# Altium PCB WallLightRemote_V1.0.PcbDoc (part 1 of 3) (continued)
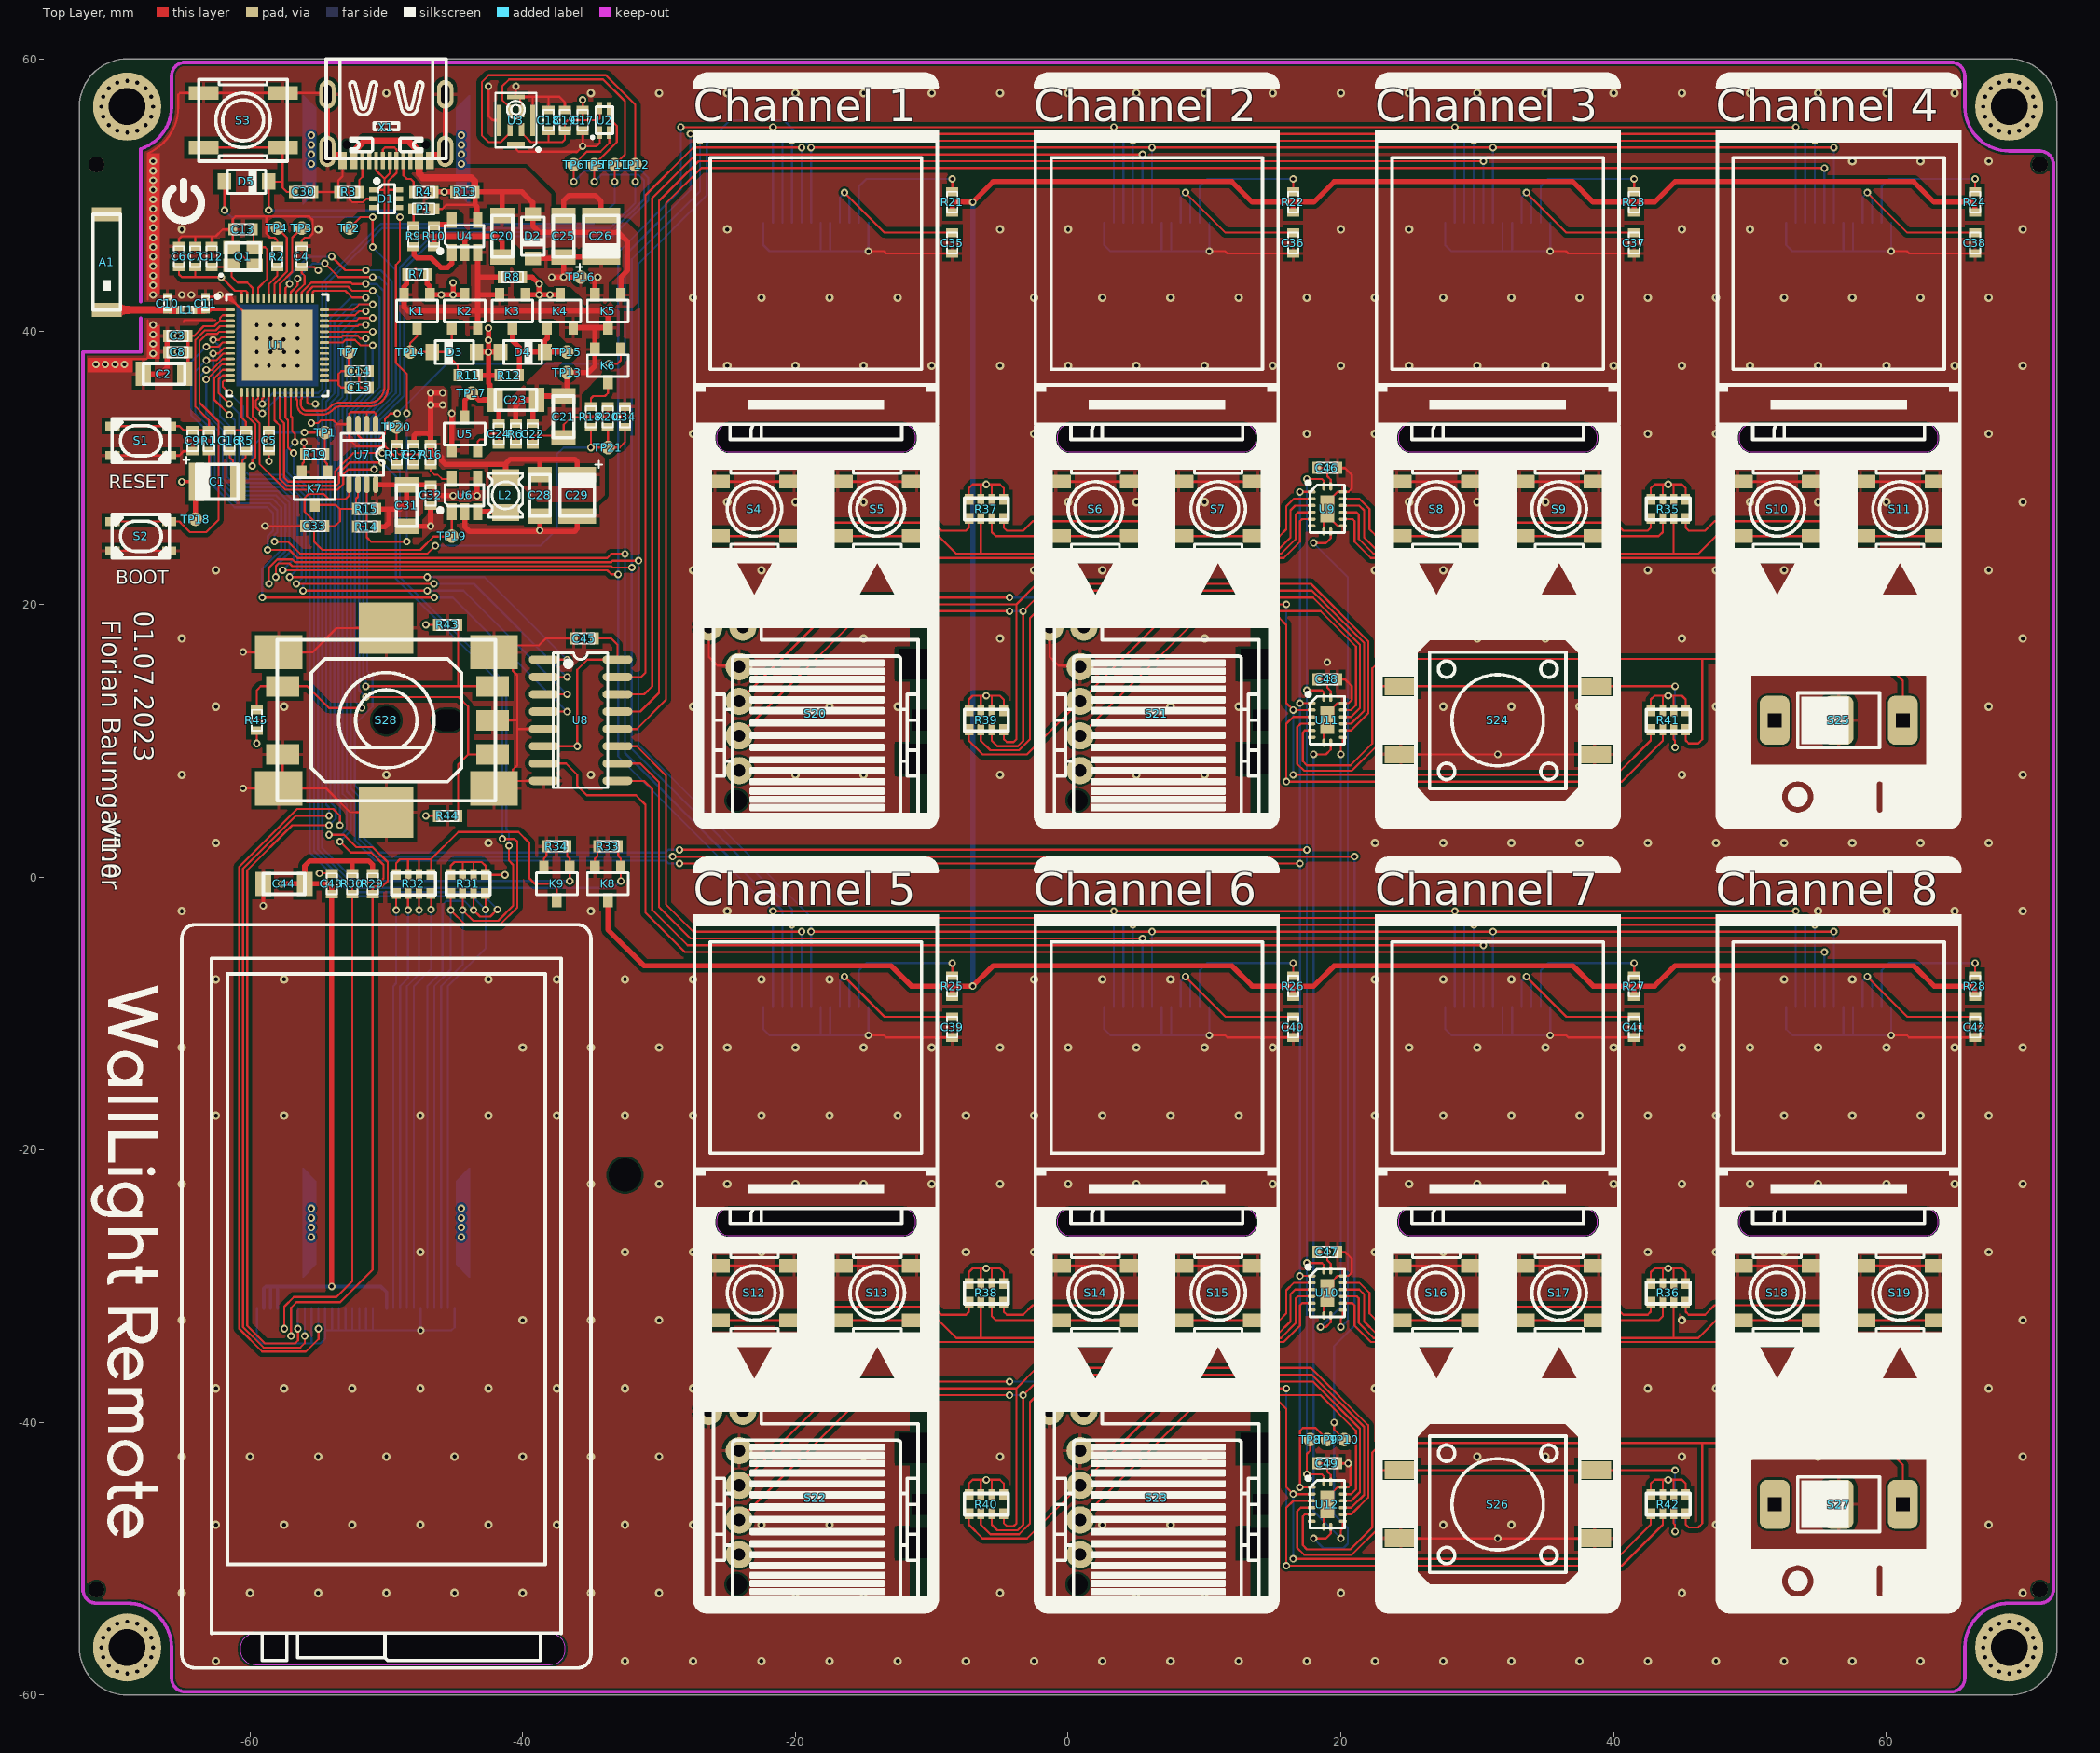
[diagram p0: Top Layer view]
## Design rules (kind name [scope] priority, off if disabled: settings)
Clearance "Stitching GND" [IsStitchingVia and InNet('GND') vs (IsVia and (Not IsStitchingVia)) Or IsPad] p1: gap=0.127 ignorepadtopadclearanceinfootprint=FALSE
Clearance Clearance_Poly_GND_DiffPair [InPolygon and InNet('GND') vs InAnyDifferentialPair] p2: gap=0.838 ignorepadtopadclearanceinfootprint=FALSE
Clearance Clearance_Poly_GND_Top [InPolygon and InNet('GND') vs OnLayer('Top Layer')] p3: gap=0.305 ignorepadtopadclearanceinfootprint=FALSE
Clearance Clearance_Poly_GND_Bottom [InPolygon and InNet('GND') vs OnLayer('Bottom Layer')] p4: gap=0.305 ignorepadtopadclearanceinfootprint=FALSE
Clearance Clearance_Poly [InPolygon vs Not InNet('GND')] p5: gap=0.152 ignorepadtopadclearanceinfootprint=FALSE
Clearance Clearance_Via [isvia AND (AsMM(HoleDiameter) = 0.2) vs isvia AND (AsMM(HoleDiameter) = 0.2)] p6: gap=0.249 ignorepadtopadclearanceinfootprint=FALSE
Clearance [All] p7: gap=0.089 ignorepadtopadclearanceinfootprint=FALSE except(0.127: SMDPad-SMDPad)
ComponentClearance Component_Display [(Identifier = 'Spacer')] p1: gap=0 collisioncheckmode=3 verticalgap=0 showdistances=FALSE
ComponentClearance [All] p2: gap=0 collisioncheckmode=3 verticalgap=0.04 showdistances=TRUE
DiffPairsRouting [All] p1: maxlimit=2.54 minlimit=0.089 mostfreqgap=0.127 toplayer_minwidth=0.127 toplayer_maxwidth=0.381 toplayer_prefwidth=0.127 midlayer1_minwidth=0.127 midlayer1_maxwidth=0.381 midlayer1_prefwidth=0.127 midlayer2_minwidth=0.127 midlayer2_maxwidth=0.381 midlayer2_prefwidth=0.127 bottomlayer_minwidth=0.127 bottomlayer_maxwidth=0.381 bottomlayer_prefwidth=0.127 maxuncoupledlength=12.7
Height [All] p1: minheight=0 maxheight=150 prefheight=2
HoleSize [All] p1: absolutevalues=TRUE maxlimit=20.32 minlimit=0.2 maxpercent=80.000 minpercent=20.000
HoleToHoleClearance [InDrillLayerPair('Top Layer - Bottom Layer')] p1: gap=0.5 allowstackedmicrovias=FALSE
MinimumAnnularRing [All] p1: minimumring=0.089
MinimumSolderMaskSliver [All] p1: minsoldermaskwidth=0
PlaneConnect [All] p1: pad.planeconnectstyle=Relief pad.reliefexpansion=0.508 pad.reliefentries=4 pad.reliefconductorwidth=0.254 pad.reliefairgap=0.254 via.planeconnectstyle=Direct via.reliefexpansion=0.508 via.reliefentries=4 via.reliefconductorwidth=0.254 via.reliefairgap=0.254
PolygonConnect [All] p1: thpad.connectstyle=Relief thpad.reliefconductorwidth=0.254 thpad.reliefentries=4 thpad.polygonreliefangle="90 Angle" thpad.airgapwidth=0.254 smdpad.connectstyle=Relief smdpad.reliefconductorwidth=0.254 smdpad.reliefentries=4 smdpad.polygonreliefangle="90 Angle" smdpad.airgapwidth=0.254 via.connectstyle=Direct via.reliefconductorwidth=0.254 via.reliefentries=4 via.polygonreliefangle="90 Angle" via.airgapwidth=0.254
RoutingVias [All] p1: holewidth=0.3 width=0.62 viastyle="Through Hole" minholewidth=0.2 minwidth=0.44 maxholewidth=0.8 maxwidth=1.1
SilkToSilkClearance [All] p1: silktosilkclearance=0
SilkToSolderMaskClearance [IsPad] p1: minsilkscreentomaskgap=0 clearancetoexposedcopper=TRUE
SolderMaskExpansion [All] p1: expansion=0.102 istentingtop=FALSE
Width [Not InNet('No Net')] p1: maxlimit=4 minlimit=0.089 preferedwidth=0.254
Width Logos [All] p2: maxlimit=0.254 minlimit=0.003 preferedwidth=0.003
21 further rules are at their usual default settings.

## Classes and differential pairs
component class Power: C20 C21 C22 C23 C24 C25 C26 C27 C28 C29 C30 C31 C32 C33 C34 D2 D3 D4 D5 K1 K2 K3 K4 K5 K6 K7 L2 P1 R6 R7 R8 R9 R10 R11 R12 R13 R14 R15 R16 R17 R18 R19 R20 S3 TP13 TP14 TP15 TP16 TP17 TP18 TP19 TP20 TP21 U4 U5 U6 U7 X2
component class MCU: A1 C1 C2 C3 C4 C5 C6 C7 C8 C9 C10 C11 C12 C13 C14 C15 C16 C17 C18 C19 D1 L1 Q1 R1 R2 R3 R4 R5 S1 S2 TP1 TP2 TP3 TP4 TP5 TP6 TP7 TP8 TP9 TP10 TP11 TP12 U1 U2 U3 X1
component class HMI: C46 C47 C48 C49 R35 R36 R37 R38 R39 R40 R41 R42 R43 R44 R45 S4 S5 S6 S7 S8 S9 S10 S11 S12 S13 S14 S15 S16 S17 S18 S19 S20 S21 S22 S23 S24 S25 S26 S27 S28 U9 U10 U11 U12
component class Displays: C35 C36 C37 C38 C39 C40 C41 C42 C43 C44 C45 K8 K9 P2 P3 P4 P5 P6 P7 P8 P9 P10 R21 R22 R23 R24 R25 R26 R27 R28 R29 R30 R31 R32 R33 R34 U8
differential pair USB_D: +USB_D_P -USB_D_N

## Components (designator, comment, footprint, x,y, rotation, side; value= is the part's Value field where it differs from the comment)
A1 "2.47GHz" "SMD Chip-Antenna 7020 (SLDA72-2R470G-S1TF)" -70.5,45.1 r90 top
C1 "100µF" "SMD Tantalkondensator 1210 +" -62.4,29 r0 top
C2 "10µF" "SMD Keramikkondensator 1206" -66.3,36.9 r0 top
C3 "1µF" "SMD Keramikkondensator 0603" -65.3,39.7 r0 top
C4 "1µF" "SMD Keramikkondensator 0603" -56.2,45.5 r270 top
C5 "1µF" "SMD Keramikkondensator 0603" -58.6,32 r90 top
C6 "1µF" "SMD Keramikkondensator 0603" -65.2,45.5 r270 top
C7 "1µF" "SMD Keramikkondensator 0603" -64,45.5 r270 top
C8 "1µF" "SMD Keramikkondensator 0603" -65.3,38.5 r0 top
C9 "1µF" "SMD Keramikkondensator 0603" -64.2,32 r90 top
C10 "1pF" "SMD Keramikkondensator 0402" -66.05,42.075 r90 top
C11 "1pF" "SMD Keramikkondensator 0402" -63.25,42.075 r90 top
C12 "15pF" "SMD Keramikkondensator 0603" -62.8,45.5 r90 top
C13 "15pF" "SMD Keramikkondensator 0603" -60.5,47.5 r180 top
C14 "1µF" "SMD Keramikkondensator 0603" -52,37.1 r180 top
C15 "100nF" "SMD Keramikkondensator 0603" -52,35.9 r180 top
C16 "1µF" "SMD Keramikkondensator 0603" -61.5,32 r90 top
C17 "1µF" "SMD Keramikkondensator 0603" -35.6,55.5 r90 top
C18 "1µF" "SMD Keramikkondensator 0603" -38.1,55.5 r270 top
C19 "100nF" "SMD Keramikkondensator 0603" -36.9,55.5 r270 top
C20 "10µF" "SMD Keramikkondensator 1206" -41.5,47 r90 top
C21 "10µF" "SMD Keramikkondensator 1206" -37,33.75 r90 top
C22 "1µF" "SMD Keramikkondensator 0603" -39.25,32.5 r90 top
C23 "10µF" "SMD Keramikkondensator 1206" -40.5,35 r0 top
C24 "100nF" "SMD Keramikkondensator 0603" -41.75,32.5 r270 top
C25 "10µF" "SMD Keramikkondensator 1206" -37,47 r270 top
C26 "100µF" "SMD Tantalkondensator 1210 +" -34.25,47 r90 top
C27 "27pF" "SMD Keramikkondensator 0603" -48,31 r270 top
C28 "10µF" "SMD Keramikkondensator 1206" -38.75,28 r90 top
C29 "100µF" "SMD Tantalkondensator 1210 +" -36,28 r270 top
C30 "10nF" "SMD Keramikkondensator 0603" -56.05,50.25 r180 top
C31 "10µF" "SMD Keramikkondensator 1206" -48.5,27.25 r90 top
C32 "100nF" "SMD Keramikkondensator 0603" -46.75,28 r90 top
C33 "100nF" "SMD Keramikkondensator 0603" -55.25,25.75 r0 top
C34 "10nF" "SMD Keramikkondensator 0603" -32.5,33.75 r270 top
C35 "1µF" "SMD Keramikkondensator 0603" -8.5,46.5 r90 top
C36 "1µF" "SMD Keramikkondensator 0603" 16.5,46.5 r90 top
C37 "1µF" "SMD Keramikkondensator 0603" 41.5,46.5 r90 top
C38 "1µF" "SMD Keramikkondensator 0603" 66.5,46.5 r90 top
C39 "1µF" "SMD Keramikkondensator 0603" -8.5,-11 r90 top
C40 "1µF" "SMD Keramikkondensator 0603" 16.5,-11 r90 top
C41 "1µF" "SMD Keramikkondensator 0603" 41.5,-11 r90 top
C42 "1µF" "SMD Keramikkondensator 0603" 66.5,-11 r90 top
C43 "1µF" "SMD Keramikkondensator 0603" -54,-0.5 r270 top
C44 "10µF" "SMD Keramikkondensator 1206" -57.5,-0.5 r0 top
C45 "100nF" "SMD Keramikkondensator 0603" -35.5,17.5 r0 top
C46 "100nF" "SMD Keramikkondensator 0603" 19,30 r180 top
C47 "100nF" "SMD Keramikkondensator 0603" 19,-27.5 r180 top
C48 "100nF" "SMD Keramikkondensator 0603" 19,14.5 r180 top
C49 "100nF" "SMD Keramikkondensator 0603" 19,-43 r180 top
D1 "PD4E1U06" "SMD IC SOT-363 (SC-70-6)" -50,49.75 r0 top
D2 "B5819W" "SMD Diode SOD-123" -39.25,47 r90 top
D3 "B5819W" "SMD Diode SOD-123" -45,38.5 r0 top
D4 "B5819W" "SMD Diode SOD-123" -40,38.5 r180 top
D5 "B5819W" "SMD Diode SOD-123" -60.25,51 r180 top
K1 "BSS84" "SMD MOSFET SOT-23" -47.75,41.5 r270 top
K2 "AO3401A" "SMD MOSFET SOT-23" -44.25,41.5 r90 top
K3 "BSS84" "SMD MOSFET SOT-23" -40.75,41.5 r270 top
K4 "AO3401A" "SMD MOSFET SOT-23" -37.25,41.5 r90 top
K5 "AO3401A" "SMD MOSFET SOT-23" -33.75,41.5 r270 top
K6 "BSS84" "SMD MOSFET SOT-23" -33.75,37.5 r270 top
K7 "2N7002" "SMD MOSFET SOT-23" -55.25,28.5 r270 top
K8 "AO3401A" "SMD MOSFET SOT-23" -33.75,-0.5 r270 top
K9 "AO3401A" "SMD MOSFET SOT-23" -37.5,-0.5 r270 top
L1 "2.2nH" "SMD Inductor 0402" -64.65,41.6 r0 top
L2 "4.7µH" "SMD Inductor 3.2x2.5x1.7" -41.25,28 r90 top
P1 "Red" "SMD LED 0603" -47.25,49 r180 top
P2 "ZJY085-1212TBWIG41" "SMD DISPLAY 0.85\" (N085-1212TBWIG41)" -18.5,45 r0 top locked
P3 "ZJY085-1212TBWIG41" "SMD DISPLAY 0.85\" (N085-1212TBWIG41)" 6.5,45 r0 top locked
P4 "ZJY085-1212TBWIG41" "SMD DISPLAY 0.85\" (N085-1212TBWIG41)" 31.5,45 r0 top locked
P5 "ZJY085-1212TBWIG41" "SMD DISPLAY 0.85\" (N085-1212TBWIG41)" 56.5,45 r0 top locked
P6 "ZJY085-1212TBWIG41" "SMD DISPLAY 0.85\" (N085-1212TBWIG41)" -18.5,-12.5 r0 top locked
P7 "ZJY085-1212TBWIG41" "SMD DISPLAY 0.85\" (N085-1212TBWIG41)" 6.5,-12.5 r0 top locked
P8 "ZJY085-1212TBWIG41" "SMD DISPLAY 0.85\" (N085-1212TBWIG41)" 31.5,-12.5 r0 top locked
P9 "ZJY085-1212TBWIG41" "SMD DISPLAY 0.85\" (N085-1212TBWIG41)" 56.5,-12.5 r0 top locked
P10 "SF-TC190B-8822A" "SMD DISPLAY 1.9\" (SF-TC190B-8822A)" -50,-28.75 r0 top locked
Q1 "40MHz" "SMD Crystal 2.5X2.0X0.5" -60.5,45.5 r0 top
R1 "10k" "SMD Widerstand 0603" -63,32 r270 top
R2 "10k" "SMD Widerstand 0603" -58,45.5 r270 top
R3 "5.1k" "SMD Widerstand 0603" -52.75,50.25 r180 top
R4 "5.1k" "SMD Widerstand 0603" -47.25,50.25 r0 top
R5 "1M" "SMD Widerstand 0603" -60.3,32 r90 top
R6 "1k" "SMD Widerstand 0603" -40.5,32.5 r90 top
R7 "100k" "SMD Widerstand 0603" -47.75,44.2 r180 top
R8 "100k" "SMD Widerstand 0603" -40.75,44 r180 top
R9 "1k" "SMD Widerstand 0603" -48,47 r270 top
R10 "1.2k" "SMD Widerstand 0603" -46.5,47 r90 top
R11 "330k" "SMD Widerstand 0603" -44,36.8 r180 top
R12 "330k" "SMD Widerstand 0603" -41,36.8 r0 top
R13 "100k" "SMD Widerstand 0603" -44.25,50.25 r0 top
R14 "330k" "SMD Widerstand 0603" -51.45,25.7 r0 top
R15 "330k" "SMD Widerstand 0603" -51.45,27 r0 top
R16 "100k" "SMD Widerstand 0603" -46.75,31 r90 top
R17 "22k" "SMD Widerstand 0603" -49.25,31 r90 top
R18 "330k" "SMD Widerstand 0603" -35,33.75 r90 top
R19 "10k" "SMD Widerstand 0603" -55.25,31 r0 top
R20 "330k" "SMD Widerstand 0603" -33.75,33.75 r270 top
R21 "68" "SMD Widerstand 0603" -8.5,49.5 r270 top
R22 "68" "SMD Widerstand 0603" 16.5,49.5 r270 top
R23 "68" "SMD Widerstand 0603" 41.5,49.5 r270 top
R24 "68" "SMD Widerstand 0603" 66.5,49.5 r270 top
R25 "68" "SMD Widerstand 0603" -8.5,-8 r270 top
R26 "68" "SMD Widerstand 0603" 16.5,-8 r270 top
R27 "68" "SMD Widerstand 0603" 41.5,-8 r270 top
R28 "68" "SMD Widerstand 0603" 66.5,-8 r270 top
R29 "10k" "SMD Widerstand 0603" -51,-0.5 r90 top
R30 "10k" "SMD Widerstand 0603" -52.5,-0.5 r90 top
R31 "10k" "SMD Widerstand Array 4-Fach 0603" -44,-0.5 r0 top
R32 "68" "SMD Widerstand Array 4-Fach 0603" -48,-0.5 r180 top
R33 "10k" "SMD Widerstand 0603" -33.75,2.25 r0 top
R34 "10k" "SMD Widerstand 0603" -37.5,2.25 r0 top
R35 "10k" "SMD Widerstand Array 4-Fach 0603" 44,27 r0 top
R36 "10k" "SMD Widerstand Array 4-Fach 0603" 44,-30.5 r0 top
R37 "10k" "SMD Widerstand Array 4-Fach 0603" -6,27 r0 top
R38 "10k" "SMD Widerstand Array 4-Fach 0603" -6,-30.5 r0 top
R39 "10k" "SMD Widerstand Array 4-Fach 0603" -6,11.5 r0 top
R40 "10k" "SMD Widerstand Array 4-Fach 0603" -6,-46 r0 top
R41 "10k" "SMD Widerstand Array 4-Fach 0603" 44,11.5 r0 top
R42 "10k" "SMD Widerstand Array 4-Fach 0603" 44,-46 r0 top
R43 "10k" "SMD Widerstand 0603" -45.5,18.5 r180 top
R44 "10k" "SMD Widerstand 0603" -45.5,4.5 r180 top
R45 "10k" "SMD Widerstand 0603" -59.5,11.5 r270 top
S1 "SMD-Button" "SMD Button 4.2x3.2x2.5" -68,32 r180 top
S2 "SMD-Button" "SMD Button 4.2x3.2x2.5" -68,25 r180 top
S3 "SMD-Button" "SMD Button 6.5x6.0x2.5" -60.5,55.5 r0 top
S4 "SMD-Button" "SMD Button 6.5x6.0x2.5" -23,27 r0 top locked
S5 "SMD-Button" "SMD Button 6.5x6.0x2.5" -14,27 r0 top locked
S6 "SMD-Button" "SMD Button 6.5x6.0x2.5" 2,27 r0 top locked
S7 "SMD-Button" "SMD Button 6.5x6.0x2.5" 11,27 r0 top locked
S8 "SMD-Button" "SMD Button 6.5x6.0x2.5" 27,27 r0 top locked
S9 "SMD-Button" "SMD Button 6.5x6.0x2.5" 36,27 r0 top locked
S10 "SMD-Button" "SMD Button 6.5x6.0x2.5" 52,27 r0 top locked
S11 "SMD-Button" "SMD Button 6.5x6.0x2.5" 61,27 r0 top locked
S12 "SMD-Button" "SMD Button 6.5x6.0x2.5" -23,-30.5 r0 top locked
S13 "SMD-Button" "SMD Button 6.5x6.0x2.5" -14,-30.5 r0 top locked
S14 "SMD-Button" "SMD Button 6.5x6.0x2.5" 2,-30.5 r0 top locked
S15 "SMD-Button" "SMD Button 6.5x6.0x2.5" 11,-30.5 r0 top locked
S16 "SMD-Button" "SMD Button 6.5x6.0x2.5" 27,-30.5 r0 top locked
S17 "SMD-Button" "SMD Button 6.5x6.0x2.5" 36,-30.5 r0 top locked
S18 "SMD-Button" "SMD Button 6.5x6.0x2.5" 52,-30.5 r0 top locked
S19 "SMD-Button" "SMD Button 6.5x6.0x2.5" 61,-30.5 r0 top locked
S20 "EVQWGD001" "THT Roller Encoder (EVQWGD001)" -18.5,11.5 r0 top locked
S21 "EVQWGD001" "THT Roller Encoder (EVQWGD001)" 6.5,11.5 r0 top locked
S22 "EVQWGD001" "THT Roller Encoder (EVQWGD001)" -18.5,-46 r0 top locked
S23 "EVQWGD001" "THT Roller Encoder (EVQWGD001)" 6.5,-46 r0 top locked
S24 "SMD-Button" "SMD Button 12.0x12.0x7.5" 31.5,11.5 r180 top locked
S25 "SS-12M11G5" "THT Slide Switch (MS12ANG03)" 56.5,11.5 r0 top locked
S26 "SMD-Button" "SMD Button 12.0x12.0x7.5" 31.5,-46 r180 top locked
S27 "SS-12M11G5" "THT Slide Switch (MS12ANG03)" 56.5,-46 r0 top locked
S28 "PEC11S" "SMD Rotary Encoder with Switch" -50,11.5 r90 top locked
TP1 "X-TP" "SMD Testpunkt Ø1mm" -54.5,32.6 r180 top
TP2 "X-TP" "SMD Testpunkt Ø1mm" -52.7,47.6 r90 top
TP3 "X-TP" "SMD Testpunkt Ø1mm" -56.2,47.6 r180 top
TP4 "X-TP" "SMD Testpunkt Ø1mm" -58,47.6 r180 top
TP5 "X-TP" "SMD Testpunkt Ø1mm" -34.75,52.25 r90 top
TP6 "X-TP" "SMD Testpunkt Ø1mm" -36.25,52.25 r90 top
TP7 "X-TP" "SMD Testpunkt Ø1mm" -52.75,38.5 r0 top
TP8 "X-TP" "SMD Testpunkt Ø1mm" 17.75,-41.25 r90 top
TP9 "X-TP" "SMD Testpunkt Ø1mm" 19,-41.25 r90 top
TP10 "X-TP" "SMD Testpunkt Ø1mm" 20.25,-41.25 r90 top
TP11 "X-TP" "SMD Testpunkt Ø1mm" -33.25,52.25 r180 top
TP12 "X-TP" "SMD Testpunkt Ø1mm" -31.75,52.25 r180 top
TP13 "X-TP" "SMD Testpunkt Ø1mm" -36.75,37 r90 top
TP14 "X-TP" "SMD Testpunkt Ø1mm" -48.25,38.5 r0 top
TP15 "X-TP" "SMD Testpunkt Ø1mm" -36.75,38.5 r0 top
TP16 "X-TP" "SMD Testpunkt Ø1mm" -35.75,44 r90 top
TP17 "X-TP" "SMD Testpunkt Ø1mm" -43.75,35.5 r90 top
TP18 "X-TP" "SMD Testpunkt Ø1mm" -64,26.25 r180 top
TP19 "X-TP" "SMD Testpunkt Ø1mm" -45.2,25 r270 top
TP20 "X-TP" "SMD Testpunkt Ø1mm" -49.25,33 r0 top
TP21 "X-TP" "SMD Testpunkt Ø1mm" -33.75,31.5 r90 top
U1 "ESP32-S3FN8" "SMD IC QFN-56 (0.4mm)" -58,39 r0 top locked
U2 "VEML6040" "SMD Color Sensor (VEML6040)" -34,55.5 r90 top
U3 "MP34DT06JTR" "SMD Microphone (MP34DT06JTR)" -40.5,55.5 r0 top
U4 "TP4054" "SMD IC SOT-23-5" -44.25,47 r270 top
U5 "RY2200" "SMD IC SOT-23-3" -44.25,32.5 r90 top
U6 "TD6811" "SMD IC SOT-23-5" -44.25,28 r270 top
U7 "TC7W74FU" "SMD IC TSSOP-8" -51.75,31 r0 top
U8 "74HC138D" "SMD IC SOIC-16" -35.75,11.5 r270 top
U9 "SN74HCS165" "SMD IC WQFN-16 (3.5x2.5)" 19,27 r0 top
U10 "SN74HCS165" "SMD IC WQFN-16 (3.5x2.5)" 19,-30.5 r0 top
U11 "SN74HCS165" "SMD IC WQFN-16 (3.5x2.5)" 19,11.5 r0 top
U12 "SN74HCS165" "SMD IC WQFN-16 (3.5x2.5)" 19,-46 r0 top
X1 "USB 2.0 Typ-C" "SMD USB-C Socket (A40-00119)" -50,60 r180 top locked
X2 "18650 Dual Battery Holder" "SMD BATTERY-HOLDER (1048P)" -50,14 r270 bottom locked

## Footprints (in the part's own frame and the unit in brackets; to place one, negate y for a bottom-side part, rotate by r counter-clockwise, add the part's x,y. Pads: shape width x height; smd on the part's side, far side on the other; paste and mask are expansions set on the pad)
"SMD BATTERY-HOLDER (1048P)" [mm]
  rect 8x7 smd: 1(-39.35,9.55) 2(39.35,9.55) 3(39.35,-9.55) 4(-39.35,-9.55)
  round 0 hole 2.4 unplated: NC(35.85,-17.5)
  silkscreen extent -38.53,-19.89 38.53,19.89, body extent -43,-19.89 43,19.89, height 18.65
"SMD Button 4.2x3.2x2.5" [mm]
  rect 1.05x0.65 smd: 1(-2.075,-1.075) 1(2.075,-1.075) 2(-2.075,1.075) 2(2.075,1.075)
  silkscreen extent -2.1,-1.6 2.1,1.6, body extent -2.3,-1.6 2.3,1.6, height 2.5
"SMD Button 6.5x6.0x2.5" [mm]
  rect 2.2x1 smd: 1(-2.9,-2) 1(2.9,-2) 2(-2.9,2) 2(2.9,2)
  silkscreen extent -3.25,-3 3.25,3, body extent -3.3,-3 3.3,3, height 2.5
"SMD Button 12.0x12.0x7.5" [mm]
  rect 2.4x1.3 smd: 1(-7.1,-2.5) 1(7.1,-2.5) 2(-7.1,2.5) 2(7.1,2.5)
  silkscreen extent -6,-6 6,6, body extent -7.68,-6.01 7.68,6.01, height 7.51
"SMD Chip-Antenna 7020 (SLDA72-2R470G-S1TF)" [mm]
  rect 1x2.2 smd: 1(-3.5,0) NC(3.5,0)
  silkscreen extent -3.5,-1 3.5,1, body extent -3.5,-1 3.5,1, height 1
"SMD Color Sensor (VEML6040)" [mm]
  rect 0.9x0.35 smd: 1(-0.9,0.35) 2(-0.9,-0.35) 4(0.9,0.35)
  rect 1x0.35 smd: 3(0.85,-0.35)
  silkscreen extent -1.35,-0.63 1,0.97, body extent -1,-0.63 1,0.63, height 1
"SMD Crystal 2.5X2.0X0.5" [mm] "SMD_LED_RED"
  rect 1.2x1 smd: 1(-0.85,-0.65) 2(0.85,0.65) 3(-0.85,0.65) 3(0.85,-0.65)
  silkscreen extent -1.72,-1.45 1.25,1, body extent -1.25,-1 1.25,1, height 0.7
"SMD Diode SOD-123" [mm] "SM LED; 2 Flat Leads"
  rect 1x1.2 smd: A(1.62,0) K(-1.62,0)
  silkscreen extent -1.4,-0.9 1.4,0.87, body extent -1.93,-0.85 1.93,0.85, height 1.42
"SMD DISPLAY 0.85\" (N085-1212TBWIG41)" [mm]
  rect 0.4x2.7 smd far side: 1(3.85,2.98) 2(3.15,2.98) 3(2.45,2.98) 4(1.75,2.98) 5(1.05,2.98) 6(0.35,2.98) 7(-0.35,2.98) 8(-1.05,2.98) 9(-1.75,2.98) 10(-2.45,2.98) 11(-3.15,2.98) 12(-3.85,2.98)
  Keep-Out Layer board cut-out: -6.307,-11.8 -6.694,-11.863 -7.022,-12.078 -7.237,-12.406 -7.3,-12.794 -7.3,-12.794 -7.236,-13.186 -7.02,-13.519 -6.686,-13.736 -6.294,-13.8 -6.294,-13.8 6.294,-13.8 6.687,-13.738 7.021,-13.521 7.238,-13.187 7.3,-12.794 7.3,-12.794 7.237,-12.406 7.023,-12.077 6.694,-11.863 6.307,-11.8 6.307,-11.8
  silkscreen extent -8.9,-12.9 8.9,9, body extent -8.87,-12.88 8.87,9.02, height 1.5
"SMD DISPLAY 1.9\" (SF-TC190B-8822A)" [mm]
  rect 0.32x1.8 smd far side: 1(5.015,-2.85) 2(4.515,-2.85) 3(4.015,-2.85) 4(3.515,-2.85) 5(3.015,-2.85) 6(2.515,-2.85) 7(2.015,-2.85) 8(1.515,-2.85) 9(1.015,-2.85) 10(0.515,-2.85) 11(0.015,-2.85) 12(-0.485,-2.85) 13(-0.985,-2.85) 14(-1.485,-2.85) 15(-1.985,-2.85) 16(-2.485,-2.85) 17(-2.985,-2.85) 18(-3.485,-2.85) 19(-3.985,-2.85) 20(-4.485,-2.85) 21(-4.985,-2.85) 22(-5.485,-2.85) 23(-5.985,-2.85) 24(-6.485,-2.85) 25(-6.985,-2.85) 26(-7.485,-2.85) 27(-7.985,-2.85) 28(-8.485,-2.85) 29(-8.985,-2.85) 30(-9.485,-2.85)
  rect 2x3 smd far side: NC(-11.27,-4.6) NC(6.8,-4.6)
  Keep-Out Layer board cut-out: -9.601,-26.751 -10.039,-26.823 -10.411,-27.065 -10.653,-27.437 -10.725,-27.875 -10.725,-27.875 -10.654,-28.313 -10.412,-28.686 -10.04,-28.928 -9.601,-28.999 -9.601,-28.999 12.001,-28.999 12.441,-28.93 12.814,-28.688 13.056,-28.314 13.125,-27.875 13.125,-27.875 13.054,-27.437 12.812,-27.065 12.439,-26.822 12.001,-26.751 12.001,-26.751
  silkscreen extent -15,-29.25 15,25.25, body extent -15,-29.24 15,25.26, height 2.9
"SMD IC QFN-56 (0.4mm)" [mm] "QFN, 48-Leads, Body 7x7mm, Pitch 0.5mm, IPC Medium Density"
  oval 0.7x0.2 smd: 1(-3.45,2.6) 2(-3.45,2.2) 3(-3.45,1.8) 4(-3.45,1.4) 5(-3.45,1) 6(-3.45,0.6) 7(-3.45,0.2) 8(-3.45,-0.2) 9(-3.45,-0.6) 10(-3.45,-1) 11(-3.45,-1.4) 12(-3.45,-1.8) 13(-3.45,-2.2) 14(-3.45,-2.6) 29(3.45,-2.6) 30(3.45,-2.2) 31(3.45,-1.8) 32(3.45,-1.4) 33(3.45,-1) 34(3.45,-0.6) 35(3.45,-0.2) 36(3.45,0.2) 37(3.45,0.6) 38(3.45,1) 39(3.45,1.4) 40(3.45,1.8) 41(3.45,2.2) 42(3.45,2.6)
  oval 0.2x0.7 smd: 15(-2.6,-3.45) 16(-2.2,-3.45) 17(-1.8,-3.45) 18(-1.4,-3.45) 19(-1,-3.45) 20(-0.6,-3.45) 21(-0.2,-3.45) 22(0.2,-3.45) 23(0.6,-3.45) 24(1,-3.45) 25(1.4,-3.45) 26(1.8,-3.45) 27(2.2,-3.45) 28(2.6,-3.45) 43(2.6,3.45) 44(2.2,3.45) 45(1.8,3.45) 46(1.4,3.45) 47(1,3.45) 48(0.6,3.45) 49(0.2,3.45) 50(-0.2,3.45) 51(-0.6,3.45) 52(-1,3.45) 53(-1.4,3.45) 54(-1.8,3.45) 55(-2.2,3.45) 56(-2.6,3.45)
  rect 5.2x5.2 smd: PAD(0,0)
  silkscreen extent -4.5,-3.72 3.72,3.72, body extent -3.5,-3.5 3.5,3.5, height 0.8
"SMD IC SOIC-16" [mm]
  oval 0.6x2.2 smd: 1(-4.445,-2.7) 2(-3.175,-2.7) 3(-1.905,-2.7) 4(-0.635,-2.7) 5(0.635,-2.7) 6(1.905,-2.7) 7(3.175,-2.7) 8(4.445,-2.7) 9(4.445,2.7) 10(3.175,2.7) 11(1.905,2.7) 12(0.635,2.7) 13(-0.635,2.7) 14(-1.905,2.7) 15(-3.175,2.7) 16(-4.445,2.7)
  silkscreen extent -4.95,-2 4.95,2, body extent -4.95,-3 4.95,3, height 1.4
"SMD IC SOT-23-3" [mm]
  rect 1x0.7 smd: 1(-1.2,0.95) 2(-1.2,-0.95) 3(1.2,0)
  silkscreen extent -0.8,-1.5 0.8,1.5, body extent -1.3,-1.5 1.2,1.5, height 1.1
"SMD IC SOT-23-5" [mm] "SOT-223/SC-73; 4 Leads; Body 6.7 x 7.3 mm, inc. leads (LxW max)"
  rect 1.2x0.7 smd: 1(1.2,-0.95) 2(1.2,0) 3(1.2,0.95) 4(-1.2,0.95) 5(-1.2,-0.95)
  silkscreen extent -0.8,-1.9 1.2,1.4, body extent -1.3,-1.5 1.2,1.5, height 1.1
"SMD IC SOT-363 (SC-70-6)" [mm]
  rect 0.6x0.4 smd: 1(-0.95,0.65) 2(-0.95,0) 3(-0.95,-0.65) 4(0.95,-0.65) 5(0.95,0) 6(0.95,0.65)
  silkscreen extent -0.8,-1.05 0.63,1.4, body extent -1.05,-1 1.05,1, height 0.92
"SMD IC TSSOP-8" [mm] "Shrink Small Outline; 16 Leads; Body Width 4.4 mm; Pitch 0.65 mm"
  oval 0.4x1.26 smd: 1(0.975,2.2) 2(0.325,2.2) 3(-0.325,2.2) 4(-0.975,2.2) 5(-0.975,-2.2) 6(-0.325,-2.2) 7(0.325,-2.2) 8(0.975,-2.2)
  silkscreen extent -1.55,-1.55 2.02,2.22, body extent -1.55,-2.5 1.55,2.5, height 1.07
"SMD IC WQFN-16 (3.5x2.5)" [mm] "QFN, 48-Leads, Body 7x7mm, Pitch 0.5mm, IPC Medium Density"
  oval 0.24x0.6 smd: 1(-0.25,1.65) 8(-0.25,-1.65) 9(0.25,-1.65) 16(0.25,1.65)
  oval 0.6x0.24 smd: 2(-1.15,1.25) 3(-1.15,0.75) 4(-1.15,0.25) 5(-1.15,-0.25) 6(-1.15,-0.75) 7(-1.15,-1.25) 10(1.15,-1.25) 11(1.15,-0.75) 12(1.15,-0.25) 13(1.15,0.25) 14(1.15,0.75) 15(1.15,1.25)
  rect 1x2 smd: PAD(0,0)
  silkscreen extent -1.52,-1.75 1.25,2.02, body extent -1.26,-1.76 1.26,1.76, height 0.82
"SMD Inductor 3.2x2.5x1.7" [mm]
  rect 1.25x2 smd: 1(-1.275,0) 2(1.275,0)
  silkscreen extent -1.6,-1.25 1.6,1.25, body extent -1.6,-1.25 1.6,1.25, height 1.55
"SMD Inductor 0402" [mm]
  rect 0.57x0.62 smd: 1(-0.48,0) 2(0.48,0)
  silkscreen extent -0.51,-0.25 0.51,0.25, body extent -0.5,-0.25 0.5,0.25, height 0.5
"SMD Keramikkondensator 0402" [mm]
  rect 0.57x0.62 smd: 1(-0.48,0) 2(0.48,0)
  silkscreen extent -0.51,-0.25 0.51,0.25, body extent -0.5,-0.25 0.5,0.25, height 0.51
"SMD Keramikkondensator 0603" [mil]
  rect 25x35 smd: 1(-30,0) 2(30,0)
  silkscreen extent -30,-15 30,15, body extent -31,-16 32,16, height 32
"SMD Keramikkondensator 1206" [mil]
  rect 45x70 smd: 1(-60,0) 2(60,0)
  silkscreen extent -60,-30 60,30, body extent -63,-31 63,32, height 39
"SMD LED 0603" [mm] "SMD_LED_RED"
  rect 0.8x0.8 smd: A(-0.75,0) K(0.75,0)
  silkscreen extent -0.8,-0.4 0.8,0.4, body extent -0.81,-0.37 0.84,0.36, height 0.68
"SMD Microphone (MP34DT06JTR)" [mm]
  rect 0.4x0.95 smd: 1(0.425,-0.675) 2(0.425,0.675) 3(-0.425,0.675) 4(-0.425,-0.675)
  rect 0.35x2.3 smd: 5(-1.225,0) 5(1.225,0)
  rect 1.3x0.35 smd: 5(0,-1.725) 5(0,1.725)
  silkscreen extent -1.5,-2.26 1.76,2, body extent -1.5,-2 1.5,2, height 1.02
"SMD MOSFET SOT-23" [mm]
  rect 1x0.7 smd: D(1.2,0) G(-1.2,0.95) S(-1.2,-0.95)
  silkscreen extent -0.8,-1.5 0.8,1.5, body extent -1.3,-1.5 1.2,1.5, height 1.1
"SMD Rotary Encoder with Switch" [mm]
  rect 1.5x2.4 smd: 1(-2.5,-7.8) 2(0,-7.8) 3(2.5,-7.8) 4(2.5,7.6) 5(-2.5,7.6)
  rect 3.75x4 smd: 6(-6.75,0) 6(6.75,0)
  rect 2.5x3.5 smd: 6(-5,7.9) 6(-5,-7.9) 6(5,7.9) 6(5,-7.9)
  round 0 hole 2.05 unplated: NC(0,0)
  round 0 hole 1.55 slot 2.2 at 90 deg unplated: NC(0,-4.5)
  silkscreen extent -5.9,-8 5.9,8, body extent -7.5,-9 7.5,9, height 14.2
"SMD Tantalkondensator 1210 +" [mil]
  rect 45x110 smd: M(60,0) P(-60,0)
  silkscreen extent -99,-50 60,72, body extent -73,-58 73,58, height 80
"SMD Testpunkt Ø1mm" [mm]
  round 1 smd: 1(0,0)
"SMD USB-C Socket (A40-00119)" [mm]
  rect 0.6x1.25 smd: A1B12(-3.2,7.45) A4B9(-2.4,7.45) B1A12(3.2,7.45) B4A9(2.4,7.45)
  rect 0.3x1.25 smd: A5(-1.25,7.45) A6(-0.25,7.45) A7(0.25,7.45) A8(1.25,7.45) B5(1.75,7.45) B6(0.75,7.45) B7(-0.75,7.45) B8(-1.75,7.45)
  oval 1.2x2.1 hole 0.6 slot 1.4 at 90 deg: G1(-4.32,2.6) G3(4.32,2.6)
  oval 1.2x2.3 hole 0.6 slot 1.7 at 90 deg: G2(-4.32,6.78) G4(4.32,6.78)
  round 0 hole 0.65 unplated: NC(-2.89,6.28) NC(2.89,6.28)
  silkscreen extent -4.4,0 4.4,7.3, body extent -4.47,0 4.48,7.75, height 3.26
"SMD Widerstand 0603" [mil]
  rect 25x35 smd: 1(-30,0) 2(30,0)
  silkscreen extent -30,-15 30,15, body extent -31,-16 31,16, height 18
"SMD Widerstand Array 4-Fach 0603" [mm]
  rect 0.65x0.8 smd: 1(-1.275,-0.7) 4(1.275,-0.7) 5(1.275,0.7) 8(-1.275,0.7)
  rect 0.5x0.8 smd: 2(-0.4,-0.7) 3(0.4,-0.7) 6(0.4,0.7) 7(-0.4,0.7)
  silkscreen extent -1.6,-0.8 1.6,0.8, body extent -1.6,-0.8 1.6,0.8, height 0.51
"THT Roller Encoder (EVQWGD001)" [mm]
  round 2 hole 0.9: 1(-5.625,-3.685) 2(-5.625,-1.145) 3(-5.625,1.395) 4(-5.625,3.935) 5(-5.35,6.825) 6(-7.85,6.825)
  round 0 hole 1.5 unplated: NC(-5.8,-5.875)
  rect 0x0 hole 2.2 square unplated: NC(7.25,-2.85) NC(7.25,4.125)
  round 0 hole 1.5 square unplated: NC(7.8,0)
  silkscreen extent -8.3,-6.9 8.3,6.9, body extent -8.3,-6.93 8.3,6.93, height 13.3
"THT Slide Switch (MS12ANG03)" [mm]
  rrect50% 2.2x3.6 hole 1 square: 1(-4.7,0) 2(0,0) 3(4.7,0)
  silkscreen extent -6.53,-3.4 6.53,3.4, body extent -6.52,-3.4 6.48,3.4, height 10.22

## Part data
A1: library part A-Chip-Antenna, "Chip-Antenna", Component Value="SLDA72-2R470G-S1TF (2.47GHz)", JLC-Parts=C370399, Component Description=Chip-Antenna, ComponentLink1Description=Datasheet, ComponentLink1URL=https://datasheet.lcsc.com/lcsc/2110081530_Sunlord-SLDA72-2R470G-S1TF_C370399.pdf, Digikey=3442-SLDA72-2R470G-S1TFTR-ND, Unit Price=0.20
C1 C26 C29: library part C-ELCAP, "CAP-Elko", Component Value="100µF 6.3V", JLC-Parts=C16133, Component Description="Tantalum Capacitor", Digikey=478-1677-1-ND, Farnell=1135048, Mouser=581-TAJB107K006R, Unit Price=0.08
C2 C20 C21 C23 C25 C44: library part "E6 - 10uF", "SMD Ceramic Capacitor E6", Component Value="10µF 50V", JLC-Parts=C13585, Component Description="Multilayer Ceramic Capacitors MLCC", ComponentLink1Description=Datasheet, ComponentLink1URL=https://datasheet.lcsc.com/lcsc/1810191219_Samsung-Electro-Mechanics-CL10A106KP8NNNC_C19702.pdf, Digikey=587-3258-1-ND, Farnell=2113070, Mouser=963-LMK107BBJ106MALT, Unit Price=0.01
C3 C4 C5 C6 C7 C8 C9 C14 C16 C17 C18 C22 C35 C36 C37 C38 C39 C40 C41 C42 C43: library part C-CAPACITOR, "CAP-MK", Component Value="1µF 50V", JLC-Parts=C15849, Component Description="Multilayer Ceramic Capacitors", Digikey=1276-1860-1-ND, Farnell=3013383, Mouser=187-CL10A105KB8NNNC, Unit Price=0.01
C10 C11: library part C-CAPACITOR, "CAP-MK", Component Value="1pF 50V", JLC-Parts=C161149, Component Description="Multilayer Ceramic Capacitors", Digikey=490-13288-1-ND, Farnell=3581492, Mouser=81-GCM1555C1H1R0CA6D, Unit Price=0.01
C12 C13: library part C-CAPACITOR, "CAP-MK", Component Value="15pF 50V", JLC-Parts=C1644, Component Description="Multilayer Ceramic Capacitors", Digikey=399-C0603C150J5GAC7867CT-ND, Farnell=1414614, Mouser=80-C0603C150J5G, Unit Price=0.01
C15 C19 C24 C32 C33 C45 C46 C47 C48 C49: library part "E6 - 100nF", "SMD Ceramic Capacitor E6", Component Value="100nF 50V", JLC-Parts=C14663, Component Description="Multilayer Ceramic Capacitors MLCC", ComponentLink1Description=Datasheet, ComponentLink1URL=https://datasheet.lcsc.com/lcsc/1809301912_YAGEO-CC0603KRX7R9BB104_C14663.pdf, Digikey=445-6899-1-ND, Farnell=2210822, Mouser=810-CGA2B3X7R1H104K, Unit Price=0.01
C27: library part C-CAPACITOR, "CAP-MK", Component Value="27pF 50V", JLC-Parts=C107045, Component Description="Multilayer Ceramic Capacitors", Digikey=399-C0603C270J5GAC7867CT-ND, Farnell=1414627, Mouser=80-C0603C270J5G, Unit Price=0.01
C28 C31: library part C-CAPACITOR, "CAP-MK", Component Value="10µF 50V", JLC-Parts=C13585, Component Description="Multilayer Ceramic Capacitors", Digikey=445-7886-1-ND, Farnell=2211092, Mouser=810-CGA5L3X5R1H106K, Unit Price=0.27
C30 C34: library part C-CAPACITOR, "CAP-MK", Component Value="10nF 50V", JLC-Parts=C57112, Component Description="Multilayer Ceramic Capacitors", Digikey=445-5662-1-ND, Farnell=2346966, Mouser=77-VJ0603V103ZXAPBC, Unit Price=0.01
D1: library part PD4E1U06DCKR, "Unidirectional 3A (8/20us) 15V (Typ) 6.5V 5.5V (Max) SOT-363 ESD Protection Devices ROHS", JLC-Parts=C194628, Component Description="ESD Suppressor", Component Value=PD4E1U06, ComponentLink1Description=Datasheet, ComponentLink1URL=https://datasheet.lcsc.com/lcsc/1810172210_Texas-Instruments-TPD4E1U06DCKR_C194628.pdf, Digikey=296-39347-1-ND, Farnell=3116516, Mouser=595-TPD4E1U06DCKR, Unit Price=0.12
D2 D3 D4 D5: library part R-DIODE:SCHKY, "S-DIODE", JLC-Parts=C8598, Component Description="Low Voltage Schottky-Diode", Component Value=B5819W, Digikey=B5819W-TPMSCT-ND, Farnell=2306459, Mouser=833-B5819W-TP, Unit Price=0.03
K1 K3 K6: library part K-FET:PIGE, "MOSFET P-Channel", Component Value=LBSS84LT1G, JLC-Parts=C8492, Component Description="MOSFET P-Channel", ComponentLink1Description=Datasheet, ComponentLink1URL=https://datasheet.lcsc.com/lcsc/1811031711_LRC-LBSS84LT1G_C8492.pdf, Digikey=1801-BSS84CT-ND, Farnell=1713836, Mouser=771-BSS84-T/R, Unit Price=0.03
K2 K4 K5 K8 K9: library part K-FET:PIGE, "MOSFET P-Channel", JLC-Parts=C15127, Component Description="MOSFET P-Channel", Component Value=AO3401A, ComponentLink1Description=Datasheet, ComponentLink1URL=https://datasheet.lcsc.com/lcsc/1810171817_Alpha---Omega-Semicon-AO3401A_C15127.pdf, Digikey=785-1001-1-ND, Unit Price=0.14
K7: library part K-FET:NIGE, "MOSFET N-Channel", JLC-Parts=C8545, Component Description="MOSFET N-Channel", Component Value=2N7002, ComponentLink1Description=Datasheet, ComponentLink1URL=https://datasheet.lcsc.com/lcsc/1810151612_Jiangsu-Changjing-Electronics-Technology-Co---Ltd--2N7002_C8545.pdf, Digikey=2N7002NCT-ND, Farnell=1713823, Mouser=512-2N7002, Unit Price=0.02
L1: library part "R-COIL (HF)", "Chip Inductor", JLC-Parts=C918998, Component Description="Chip Inductor", Component Value=2.2nH, Digikey=490-1077-1-ND, Farnell=1343064, Mouser=81-LQG15HN2N2S02D, Unit Price=0.01
L2: library part L-COIL, "Shielded Power Inductor", Component Value="LQH32PN4R7NN0L (4.7µH, 1.0A)", JLC-Parts=C98021, Component Description="Molded Power Inductor", Digikey=490-5338-1-ND, Farnell=2470296, Mouser=81-LQH32PN4R7NN0L, Unit Price=0.12
P1: library part P-LED, "LED (als Lampe E / alt H)", Component Value="Red (5mA, 2.0V)", JLC-Parts=C2286, Component Description="Low Power LED", ComponentLink1Description=Datasheet, ComponentLink1URL=https://datasheet.lcsc.com/szlcsc/Hubei-KENTO-Elec-KT-0603R_C2286.pdf, Digikey=350-2029-1-ND, Farnell=1465988, Mouser=645-598-8010-107F, Unit Price=0.34
P2 P3 P4 P5 P6 P7 P8 P9: library part P-ZJY085-1212TBWIG41, "TFT-LCD 0.85\" 128x128", aliExpress=1005004490846551, Component Description="TFT-LCD 0.85\" 128x128", Component Value=ZJY085-1212TBWIG41, ComponentLink1Description=Datasheet, ComponentLink1URL=https://cdn.hackaday.io/files/1881838051221472/SPEC%20ZJY085-1212TBWIG41.pdf, Unit Price=1.85
P10: library part P-SF-TC190B-8822A, "TFT-LCD 1.9\" 170x320", Component Description="TFT-LCD 1.9\" 170x320", Component Value=SF-TC190B-8822A, ComponentLink1Description=Datasheet, ComponentLink1URL=https://www.midasdisplays.com/getattachment/8f320ce8-2a9c-403e-8681-7aa934dd4afb/specification, Unit Price=4.20
Q1: library part B-QUARZ-CAP, Component Value=40Mhz, JLC-Parts=C524681, Component Description=Crystal, ComponentLink1Description=Datasheet, ComponentLink1URL=https://ecsxtal.com/store/pdf/ECX-2236Q.pdf, Digikey=XC2730CT-ND, Farnell=4059221, Mouser=520-400-8-36Q-CWYT, Unit Price=0.16
R1 R2 R19 R29 R30 R33 R34 R43 R44 R45: library part R-RESISTOR, "RES (E=Heizwiderstand B=Messwandler)", Component Value="10k (75V, 100mW, 1%)", JLC-Parts=C25804, Component Description="Thick Film Chip Resistor", Digikey=P10.0KHCT-ND, Farnell=2303192, Mouser=667-ERJ-3EKF1002V, Unit Price=0.01
R3 R4: library part R-RESISTOR, "RES (E=Heizwiderstand B=Messwandler)", Component Value="5.1k (75V, 100mW, 1%)", JLC-Parts=C23186, Component Description="Thick Film Chip Resistor", Digikey=P5.10KHCT-ND, Farnell=2059378, Mouser=667-ERJ-3EKF5101V, Unit Price=0.01
R5: library part R-RESISTOR, "RES (E=Heizwiderstand B=Messwandler)", Component Value="1M (75V, 100mW, 1%)", JLC-Parts=C22935, Component Description="Thick Film Chip Resistor", ComponentLink1Description=Datasheet, ComponentLink1URL=https://datasheet.lcsc.com/lcsc/1810200710_UNI-ROYAL-Uniroyal-Elec-0603WAF4701T5E_C23162.pdf, Digikey=P1.00MHCT-ND, Farnell=2303325, Mouser=667-ERJ-3EKF1004V, Unit Price=0.01
R6 R9: library part R-RESISTOR, "RES (E=Heizwiderstand B=Messwandler)", Component Value="1k (75V, 100mW, 1%)", JLC-Parts=C21190, Component Description="Dickschicht Chipwiderstand", Digikey=P1.00KHCT-ND, Farnell=2303145, Mouser=667-ERJ-3EKF1001V, Unit Price=0.01
R7 R8 R13 R16: library part R-RESISTOR, "RES (E=Heizwiderstand B=Messwandler)", Component Value="100k (75V, 100mW, 1%)", JLC-Parts=C25803, Component Description="Thick Film Chip Resistor", Digikey=P100KHCT-ND, Farnell=2303232, Mouser=667-ERJ-3EKF1003V, Unit Price=0.01
R10: library part R-RESISTOR, "RES (E=Heizwiderstand B=Messwandler)", Component Value="1.2k (75V, 100mW, 1%)", JLC-Parts=C22765, Component Description="Dickschicht Chipwiderstand", Digikey=P1.20KHCT-ND, Farnell=2303150, Mouser=667-ERJ-3EKF1201V, Unit Price=0.01
R11 R12 R14 R15 R18 R20: library part R-RESISTOR, "RES (E=Heizwiderstand B=Messwandler)", Component Value="330k (75V, 100mW, 1%)", JLC-Parts=C23137, Component Description="Thick Film Chip Resistor", Digikey=P330KHCT-ND, Farnell=2303270, Mouser=667-ERJ-3EKF3303V, Unit Price=0.01
R17: library part R-RESISTOR, "RES (E=Heizwiderstand B=Messwandler)", Component Value="22k (75V, 100mW, 1%)", JLC-Parts=C31850, Component Description="Thick Film Chip Resistor", Digikey=P22.0KHCT-ND, Farnell=2303201, Mouser=667-ERJ-3EKF2202V, Unit Price=0.01
R21 R22 R23 R24 R25 R26 R27 R28: library part R-RESISTOR, "SMD-Widerstand 1/4W", Component Value="68 (75V, 100mW, 1%)", JLC-Parts=C27592, Component Description="Thick Film Chip Resistor", Digikey=P680HCT-ND, Farnell=2303131, Mouser=667-ERJ-3EKF6800V, Unit Price=0.01
R31 R35 R36 R37 R38 R39 R40 R41 R42: library part "R-Array Single Quad E24 - 10k", "Isolated Resistor Array", Component Value="10k (4x, 50V, 62.5mW, 5%)", JLC-Parts=C29718, Component Description="Isolated Resistor Array", ComponentLink1Description=Datasheet, ComponentLink1URL=https://datasheet.lcsc.com/lcsc/1810191515_UNI-ROYAL-Uniroyal-Elec-4D03WGJ0103T5E_C29718.pdf, Digikey=Y4103CT-ND, Farnell=2060167, Mouser=667-EXB-V8V103JV, Unit Price=0.01
R32: library part "R-Array Single Quad E24 - 10k", "Isolated Resistor Array", Component Value="68 (4x, 50V, 62.5mW, 5%)", JLC-Parts=C25513, Component Description="Isolated Resistor Array", ComponentLink1Description=Datasheet, ComponentLink1URL=https://datasheet.lcsc.com/lcsc/1810191515_UNI-ROYAL-Uniroyal-Elec-4D03WGJ0103T5E_C29718.pdf, Digikey=Y4680CT-ND, Farnell=2060156, Mouser=667-EXB-V8V680JV, Unit Price=0.01
S1 S2: library part "Button 3mmx2.5mm", "Button SPST", Component Value=SKRPACE010, JLC-Parts=C139797, Component Description="Tactile Switch", ComponentLink1Description=Datasheet, Digikey=4809-SKRPACE010CT-ND, Farnell=3261825, Mouser=688-SKRPACE010, Unit Price=0.04
  S1: ComponentLink1URL=https://datasheet.lcsc.com/lcsc/1811051610_ALPSALPINE-SKRPACE010_C139797.pdf
  S2: ComponentLink1URL=https://datasheet.lcsc.com/lcsc/1912111437_PANASONIC-EVQQ2U02W_C395227.pdf
S3 S4 S5 S6 S7 S8 S9 S10 S11 S12 S13 S14 S15 S16 S17 S18 S19: library part "Button 3mmx2.5mm", "Button SPST", Component Value=EVQQ2U02W, JLC-Parts=C395227, Component Description="Tactile Switch", ComponentLink1Description=Datasheet, ComponentLink1URL=https://datasheet.lcsc.com/lcsc/1912111437_PANASONIC-EVQQ2U02W_C395227.pdf, Digikey=P12954SCT-ND, Farnell=2860932, Mouser=667-EVQ-Q2U02W, Unit Price=0.19
S20 S21 S22 S23: library part S-EVQWGD001, "Axial Roller Encoder", aliExpress=1005004320540116, Component Description="Axial Roller Encoder", Component Value=EVQWGD001, ComponentLink1Description=Datasheet, Unit Price=4.80
S24 S26: library part "Button 3mmx2.5mm", "Button SPST", Component Value=TS-1003S-07026, JLC-Parts=C455223, Component Description="Tactile Switch", ComponentLink1Description=Datasheet, Digikey=2223-TS16-1212-75-BK-160-SMT-TRDKR-ND, Mouser=179-TS16121275160STT, Unit Price=0.06
  S24: ComponentLink1URL=https://datasheet.lcsc.com/lcsc/1912111437_XUNPU-TS-1003S-07026_C455223.pdf
  S26: ComponentLink1URL=https://datasheet.lcsc.com/lcsc/1912111437_PANASONIC-EVQQ2U02W_C395227.pdf
S25 S27: library part S-PCM12SMTR, "Vertical Slide Switch SPDT", Component Value=SS-12D10-G050, JLC-Parts=C2848933, Component Description="Vertical Slide Switch SPDT", ComponentLink1Description=Datasheet, Digikey=360-2383-ND, Mouser=633-MS12ANG03, Unit Price=0.23
  S25: ComponentLink1URL=https://datasheet.lcsc.com/lcsc/2207061130_G-Switch-SS-12D10-G050_C2848933.pdf
S28: library part "S-Rotary Encoder", "Rotary Encoder", Component Value="PEC11S-929K-S0015 (15PPR, 0.5mm)", Component Description="Rotary Encoder with Switch", Digikey=PEC11S-929K-S0015-ND, Farnell=2813728, Mouser=652-PEC11S929K-S0015, Unit Price=2.64
TP1 TP2 TP3 TP4 TP5 TP6 TP7 TP8 TP9 TP10 TP11 TP12 TP13 TP14 TP15 TP16 TP17 TP18 TP19 TP20 TP21: "Testpunkt", Component Value="Ø 0.8mm", Component Description=Testpunkt, Unit Price=0.00
U1: library part U-ESP32-S3FN8, "2.4 GHz Wi­Fi + Bluetooth® LE SoC", aliExpress=1005004891428522, Component Description="2.4 GHz Wi­Fi + Bluetooth® LE SoC", Component Value=ESP32-S3FN8, ComponentLink1Description=Datasheet, ComponentLink1URL=https://www.mouser.ch/datasheet/2/891/esp32_s3_datasheet_en-2946743.pdf, Mouser=356-ESP32-S3FN8, Unit Price=1.92
U2: library part U-VEML6040, "RGBW Color Sensor with I2C Interface", JLC-Parts=C78465, Component Description="RGBW Color Sensor with I2C Interface", Component Value=VEML6040, ComponentLink1Description=Datasheet, ComponentLink1URL=https://www.vishay.com/docs/84276/veml6040.pdf, Digikey=VEML6040A3OGDKR-ND, Farnell=2504135, Mouser=78-VEML6040A3OG, Unit Price=0.83
U3: library part U-MP34DT06JTR, "Digital PDM MEMS Microphone", JLC-Parts=C503097, Component Description="Digital PDM MEMS Microphone", Component Value=MP34DT06JTR, ComponentLink1Description=Datasheet, ComponentLink1URL=https://datasheet.lcsc.com/lcsc/2004071606_STMicroelectronics-MP34DT06JTR_C503097.pdf, Digikey=497-18180-1-ND, Farnell=2980885, Mouser=511-MP34DT06JTR, Unit Price=2.18
U4: library part U-TP4054, "Standalone Linear Li-Ion Battery Charger", JLC-Parts=C32574, Component Description="Standalone Linear Li-Ion Battery Charger", Component Value=TP4054, ComponentLink1Description=Datasheet, ComponentLink1URL=http://images.100y.com.tw/pdf_file/38-TP-TP4054x.pdf, Unit Price=0.14
U5: library part U-RY2200, "One Cell Li-ion and Li-poly Battery Protection IC", JLC-Parts=C2888102, Component Description="One Cell Li-ion and Li-poly Battery Protection IC", Component Value=RY2200, ComponentLink1Description=Datasheet, ComponentLink1URL=https://datasheet.lcsc.com/lcsc/2108251630_RYCHIP-Semiconductor-Inc--RY2200_C2888102.pdf, Unit Price=0.05
U6: library part U-TD6811, "1.5MHz 1.2A Synchronous Step-Down Converter", JLC-Parts=C189486, Component Description="1.5MHz 1.2A Synchronous Step-Down Converter", Component Value=TD6811, ComponentLink1Description=Datasheet, ComponentLink1URL=https://datasheet.lcsc.com/lcsc/1811061612_Techcode-Semicon-TD6811_C189486.pdf, Unit Price=0.14
U7: library part U-TC7W74FU, "Low-Power D-Flip-Flop with Preset & Clear", JLC-Parts=C128631, Component Description="Low-Power D-Flip-Flop with Preset & Clear", Component Value=TC7W74FU, ComponentLink1Description=Datasheet, ComponentLink1URL=https://datasheet.lcsc.com/lcsc/1811081942_TOSHIBA-TC7W74FU-LF_C128631.pdf, Digikey=TC7W74FULFCT-ND, Farnell=3872351, Unit Price=0.52
U8: library part U-74HC138D, "3-to-8 Line Decoder (Inverting)", JLC-Parts=C5205140, Component Description="3-to-8 Line Decoder (Inverting)", Component Value=74HC138D, ComponentLink1Description=Datasheet, ComponentLink1URL=https://datasheet.lcsc.com/lcsc/2211081800_JSMSEMI-74HC138D_C5205140.pdf, Digikey=1727-2781-1-ND, Farnell=1201320, Mouser=771-74HC138D-T, Unit Price=0.10
U9 U10 U11 U12: library part U-SN74HCS165, "8-Bit Paralell-In Shift Register (Schmitt Trigger)", JLC-Parts=C2866439, Component Description="8-Bit Paralell-In Shift Register (Schmitt Trigger)", Component Value=SN74HCS165, ComponentLink1Description=Datasheet, ComponentLink1URL=https://www.ti.com/lit/ds/symlink/sn74hcs165.pdf, Digikey=296-SN74HCS165BQBRDKR-ND, Mouser=595-SN74HCS165BQBR, Unit Price=0.43
X1: library part X-USB-Buchse, "Typ-C", Component Value=USB4105-GF-A, JLC-Parts=C167321, aliExpress=33045191307, Component Description="USB Connector Type-C", ComponentLink1Description=Datasheet, ComponentLink1URL=https://datasheet.lcsc.com/lcsc/2103051833_Jing-Extension-of-the-Electronic-Co--918-418K2023S40001_C167321.pdf, Digikey=2073-USB4105-GF-ACT-ND, Farnell=3583366, Unit Price=0.34
X2: library part X-18650_Dual-Holder, Component Value=1049P, aliExpress=4001152338150, Component Description="18650 Dual Battery Holder", ComponentLink1Description=Datasheet, ComponentLink1URL=https://www.keyelco.com/userAssets/file/M65p27.pdf, Digikey=36-1049P-ND, Farnell=2674339, Mouser=534-1049P, Unit Price=0.73

## Free pads (board coordinates)
  round 1.152 hole 1.152 unplated paste+1.152 mask+0.148: NC(-71.25,-52.25) NC(-71.25,52.25) NC(71.25,-52.25) NC(71.25,52.25)
  round 5 hole 2.7: NC(-69,-56.5) NC(-69,56.5) NC(69,-56.5) NC(69,56.5)

## Via types
v1: diameter 0.62, hole 0.3, Top Layer to Bottom Layer, tented both sides, 444 vias
v2: diameter 0.55, hole 0.3, Top Layer to Bottom Layer, tented both sides, 341 vias